# KiCad board JL-rev1.kicad_pcb (continued)
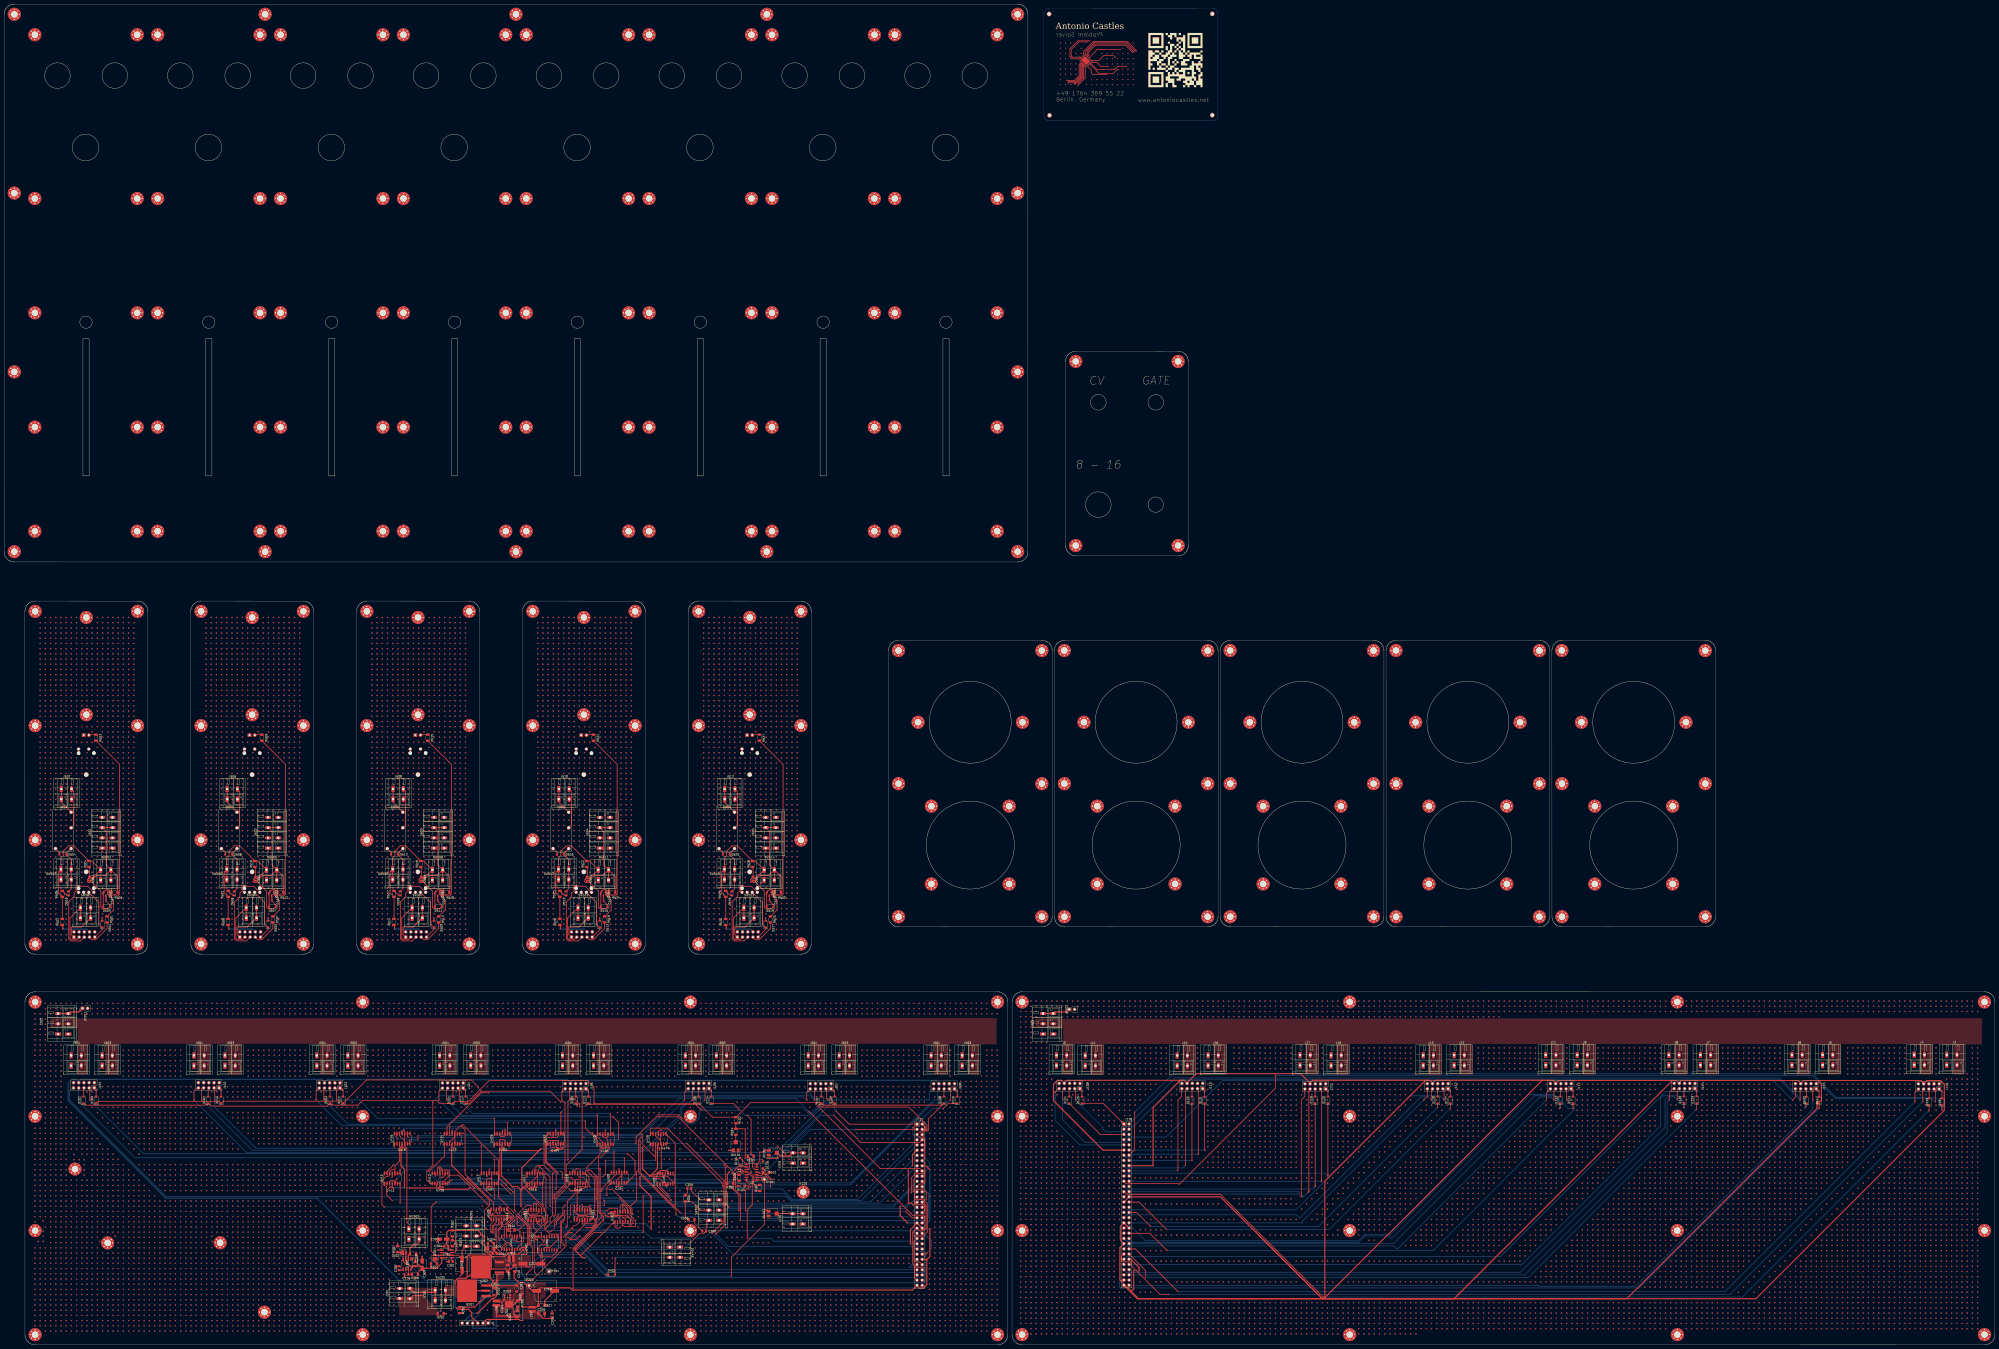
[diagram p0: board, top side]
## Routing (per net, layer and track width the routed paths; a pad name or vN(x,y) marks a point on that pad's centre or on a via; arc(x,y) is an arc through that point) (continued)
  vias: v4(17.61,352.79) v4(17.61,350.25) v4(17.61,347.71) v4(17.61,345.17) v4(17.61,342.63) v4(17.61,340.09) v4(17.61,337.55) v4(17.61,335.01) v4(17.61,332.47) v4(17.61,329.93) v4(17.61,327.39) v4(17.61,324.85) v4(17.61,322.31) v4(17.61,319.77) v4(17.61,317.23) v4(17.61,314.69) v4(17.61,312.15) v4(17.61,309.61) v4(17.61,307.07) v4(17.61,296.91) v4(17.61,294.37) v4(17.61,291.83) v4(17.61,289.29) v4(17.61,286.75) v4(17.61,284.21) v4(17.61,281.67) v4(17.61,279.13) v4(17.61,276.59) v4(17.61,274.05) v4(17.61,271.51) v4(17.61,268.97) v4(17.61,266.43) v4(17.61,263.89) v4(17.61,261.35) v4(17.61,258.81) v4(17.61,256.27) v4(17.61,253.73) v4(17.61,251.19) v4(17.61,241.03) v4(17.61,238.49) v4(17.61,235.95) v4(17.61,233.41) v4(17.61,230.87) v4(17.61,228.33) v4(17.61,225.79) v4(17.61,223.25) v4(17.61,220.71) v4(17.61,218.17) v4(17.61,215.63) v4(17.61,213.09) v4(17.61,210.55) v4(17.61,208.01) v4(17.61,205.47) v4(17.61,202.93) v4(17.61,200.39) v4(20.15,355.33) v4(20.15,352.79) v4(20.15,350.25) v4(20.15,347.71) v4(20.15,345.17) v4(20.15,342.63) v4(20.15,340.09) v4(20.15,337.55) v4(20.15,335.01) v4(20.15,332.47) v4(20.15,329.93) v4(20.15,327.39) v4(20.15,324.85) v4(20.15,322.31) v4(20.15,319.77) v4(20.15,317.23) v4(20.15,314.69) v4(20.15,312.15) v4(20.15,309.61) v4(20.15,307.07) v4(20.15,304.53) v4(20.15,301.99) v4(20.15,299.45) v4(20.15,296.91) v4(20.15,294.37) v4(20.15,291.83) v4(20.15,289.29) v4(20.15,286.75) v4(20.15,284.21) v4(20.15,281.67) v4(20.15,279.13) v4(20.15,276.59) v4(20.15,274.05) v4(20.15,271.51) v4(20.15,268.97) v4(20.15,266.43) v4(20.15,263.89) v4(20.15,261.35) v4(20.15,258.81) v4(20.15,256.27) v4(20.15,253.73) v4(20.15,251.19) v4(20.15,248.65) v4(20.15,246.11) v4(20.15,243.57) v4(20.15,241.03) v4(20.15,238.49) v4(20.15,235.95) v4(20.15,233.41) v4(20.15,230.87) v4(20.15,228.33) v4(20.15,225.79) v4(20.15,223.25) v4(20.15,220.71) v4(20.15,218.17) v4(20.15,215.63) v4(20.15,213.09) v4(20.15,210.55) v4(20.15,208.01) v4(20.15,205.47) v4(20.15,202.93) v4(20.15,200.39) v4(20.15,197.85) v4(22.69,355.33) v4(22.69,352.79) v4(22.69,350.25) v4(22.69,347.71) v4(22.69,345.17) v4(22.69,342.63) v4(22.69,340.09) v4(22.69,337.55) v4(22.69,335.01) v4(22.69,332.47) v4(22.69,329.93) v4(22.69,327.39) v4(22.69,324.85) v4(22.69,322.31) v4(22.69,319.77) v4(22.69,317.23) v4(22.69,314.69) v4(22.69,312.15) v4(22.69,309.61) v4(22.69,307.07) v4(22.69,304.53) v4(22.69,301.99) v4(22.69,299.45) v4(22.69,296.91) v4(22.69,294.37) v4(22.69,291.83) v4(22.69,289.29) v4(22.69,286.75) v4(22.69,284.21) v4(22.69,281.67) v4(22.69,279.13) v4(22.69,276.59) v4(22.69,274.05) v4(22.69,271.51) v4(22.69,268.97) v4(22.69,266.43) v4(22.69,263.89) v4(22.69,261.35) v4(22.69,258.81) v4(22.69,256.27) v4(22.69,253.73) v4(22.69,251.19) v4(22.69,248.65) v4(22.69,246.11) v4(22.69,243.57) v4(22.69,241.03) v4(22.69,238.49) v4(22.69,235.95) v4(22.69,233.41) v4(22.69,230.87) v4(22.69,228.33) v4(22.69,225.79) v4(22.69,223.25) v4(22.69,220.71) v4(22.69,218.17) v4(22.69,215.63) v4(22.69,213.09) v4(22.69,210.55) v4(22.69,208.01) v4(22.69,205.47) v4(22.69,202.93) v4(22.69,200.39) v4(22.69,197.85) v4(25.23,355.33) v4(25.23,352.79) v4(25.23,350.25) v4(25.23,347.71) v4(25.23,345.17) v4(25.23,342.63) v4(25.23,340.09) v4(25.23,337.55) v4(25.23,335.01) v4(25.23,332.47) v4(25.23,329.93) v4(25.23,327.39) v4(25.23,324.85) v4(25.23,322.31) v4(25.23,319.77) v4(25.23,317.23) v4(25.23,314.69) v4(25.23,312.15) v4(25.23,309.61) v4(25.23,307.07) v4(25.23,304.53) v4(25.23,301.99) v4(25.23,299.45) v4(25.23,296.91) v4(25.23,294.37) v4(25.23,291.83) v4(25.23,289.29) v4(25.23,286.75) v4(25.23,284.21) v4(25.23,281.67) v4(25.23,279.13) v4(25.23,276.59) v4(25.23,274.05) v4(25.23,271.51) v4(25.23,268.97) v4(25.23,266.43) v4(25.23,263.89) v4(25.23,261.35) v4(25.23,258.81) v4(25.23,256.27) v4(25.23,253.73) v4(25.23,251.19) v4(25.23,248.65) v4(25.23,246.11) v4(25.23,238.49) v4(25.23,235.95) v4(25.23,233.41) v4(25.23,230.87) v4(25.23,228.33) v4(25.23,225.79) v4(25.23,223.25) v4(25.23,220.71) v4(25.23,218.17) v4(25.23,215.63) v4(25.23,213.09) v4(25.23,210.55) v4(25.23,208.01) v4(25.23,205.47) v4(25.23,202.93) v4(25.23,200.39) v4(25.23,197.85) v4(27.77,355.33) v4(27.77,352.79) v4(27.77,350.25) v4(27.77,347.71) v4(27.77,345.17) v4(27.77,342.63) v4(27.77,340.09) v4(27.77,337.55) v4(27.77,335.01) v4(27.77,332.47) v4(27.77,329.93) v4(27.77,327.39) v4(27.77,324.85) v4(27.77,322.31) v4(27.77,319.77) v4(27.77,317.23) v4(27.77,314.69) v4(27.77,312.15) v4(27.77,309.61) v4(27.77,307.07) v4(27.77,304.53) v4(27.77,301.99) v4(27.77,299.45) v4(27.77,296.91) v4(27.77,294.37) v4(27.77,291.83) v4(27.77,289.29) v4(27.77,286.75) v4(27.77,284.21) v4(27.77,281.67) v4(27.77,279.13) v4(27.77,276.59) v4(27.77,274.05) v4(27.77,261.35) v4(27.77,258.81) v4(27.77,256.27) v4(27.77,253.73) v4(27.77,251.19) v4(27.77,248.65) v4(27.77,246.11) v4(27.77,243.57) v4(27.77,223.25) v4(27.77,200.39) v4(27.77,197.85) v4(30.31,355.33) v4(30.31,352.79) v4(30.31,350.25) v4(30.31,347.71) v4(30.31,345.17) v4(30.31,342.63) v4(30.31,340.09) v4(30.31,337.55) v4(30.31,335.01) v4(30.31,332.47) v4(30.31,329.93) v4(30.31,327.39) v4(30.31,324.85) v4(30.31,322.31) v4(30.31,319.77) v4(30.31,317.23) v4(30.31,314.69) v4(30.31,312.15) v4(30.31,309.61) v4(30.31,307.07) v4(30.31,304.53) v4(30.31,301.99) v4(30.31,299.45) v4(30.31,296.91) v4(30.31,294.37) v4(30.31,291.83) v4(30.31,289.29) v4(30.31,286.75) v4(30.31,284.21) v4(30.31,281.67) v4(30.31,279.13) v4(30.31,276.59) v4(30.31,274.05) v4(30.31,271.51) v4(30.31,268.97) v4(30.31,266.43) v4(30.31,258.81) v4(30.31,256.27) v4(30.31,253.73) v4(30.31,251.19) v4(30.31,248.65) v4(30.31,246.11) v4(30.31,235.95) v4(30.31,233.41) v4(30.31,230.87) v4(30.31,228.33) v4(30.31,225.79) v4(30.31,223.25) v4(30.31,218.17) v4(30.31,215.63) v4(30.31,213.09) v4(30.31,210.55) v4(30.31,208.01) v4(30.31,205.47) v4(30.31,200.39) v4(30.31,197.85) v4(32.85,355.33) v4(32.85,352.79) v4(32.85,350.25) v4(32.85,347.71) v4(32.85,345.17) v4(32.85,342.63) v4(32.85,340.09) v4(32.85,337.55) v4(32.85,335.01) v4(32.85,332.47) v4(32.85,329.93) v4(32.85,327.39) v4(32.85,324.85) v4(32.85,322.31) v4(32.85,319.77) v4(32.85,317.23) v4(32.85,314.69) v4(32.85,312.15) v4(32.85,309.61) v4(32.85,307.07) v4(32.85,304.53) v4(32.85,301.99) v4(32.85,299.45) v4(32.85,296.91) v4(32.85,294.37) v4(32.85,291.83) v4(32.85,289.29) v4(32.85,286.75) v4(32.85,284.21) v4(32.85,281.67) v4(32.85,279.13) v4(32.85,276.59) v4(32.85,274.05) v4(32.85,263.89) v4(32.85,256.27) v4(32.85,248.65) v4(32.85,246.11) v4(32.85,213.09) v4(35.39,355.33) v4(35.39,352.79) v4(35.39,350.25) v4(35.39,347.71) v4(35.39,345.17) v4(35.39,342.63) v4(35.39,340.09) v4(35.39,337.55) v4(35.39,335.01) v4(35.39,332.47) v4(35.39,329.93) v4(35.39,327.39) v4(35.39,324.85) v4(35.39,322.31) v4(35.39,319.77) v4(35.39,317.23) v4(35.39,314.69) v4(35.39,312.15) v4(35.39,309.61) v4(35.39,307.07) v4(35.39,304.53) v4(35.39,301.99) v4(35.39,299.45) v4(35.39,296.91) v4(35.39,294.37) v4(35.39,286.75) v4(35.39,284.21) v4(35.39,281.67) v4(35.39,279.13) v4(35.39,276.59) v4(35.39,274.05) v4(35.39,271.51) v4(35.39,268.97) v4(35.39,266.43) v4(35.39,263.89) v4(35.39,261.35) v4(35.39,258.81) v4(35.39,256.27) v4(35.39,253.73) v4(35.39,251.19) v4(35.39,248.65) v4(35.39,246.11) v4(35.39,238.49) v4(35.39,235.95) v4(35.39,233.41) v4(35.39,230.87) v4(35.39,228.33) v4(35.39,225.79) v4(35.39,218.17) v4(35.39,215.63) v4(35.39,208.01) v4(35.39,205.47) v4(37.93,350.25) v4(37.93,347.71) v4(37.93,345.17) v4(37.93,342.63) v4(37.93,340.09) v4(37.93,337.55) v4(37.93,335.01) v4(37.93,332.47) v4(37.93,329.93) v4(37.93,327.39) v4(37.93,324.85) v4(37.93,322.31) v4(37.93,319.77) v4(37.93,317.23) v4(37.93,314.69) v4(37.93,312.15) v4(37.93,301.99) v4(37.93,294.37) v4(37.93,286.75) v4(37.93,284.21) v4(37.93,281.67) v4(37.93,279.13) v4(37.93,276.59) v4(37.93,274.05) v4(37.93,271.51) v4(37.93,268.97) v4(37.93,266.43) v4(37.93,263.89) v4(37.93,261.35) v4(37.93,258.81) v4(37.93,256.27) v4(37.93,253.73) v4(37.93,251.19) v4(37.93,248.65) v4(37.93,246.11) v4(37.93,243.57) v4(37.93,235.95) v4(37.93,233.41) v4(37.93,230.87) v4(37.93,228.33) v4(37.93,225.79) v4(37.93,218.17) v4(40.47,350.25) v4(40.47,347.71) v4(40.47,345.17) v4(40.47,342.63) v4(40.47,340.09) v4(40.47,337.55) v4(40.47,335.01) v4(40.47,332.47) v4(40.47,329.93) v4(40.47,327.39) v4(40.47,324.85) v4(40.47,322.31) v4(40.47,319.77) v4(40.47,317.23) v4(40.47,314.69) v4(40.47,312.15) v4(40.47,301.99) v4(40.47,294.37) v4(40.47,289.29) v4(40.47,286.75) v4(40.47,284.21) v4(40.47,281.67) v4(40.47,274.05) v4(40.47,271.51) v4(40.47,268.97) v4(40.47,266.43) v4(40.47,263.89) v4(40.47,261.35) v4(40.47,258.81) v4(40.47,256.27) v4(40.47,253.73) v4(40.47,251.19) v4(40.47,248.65) v4(40.47,246.11) v4(40.47,243.57) v4(40.47,241.03) v4(40.47,218.17) v4(40.47,215.63) v4(40.47,213.09) v4(40.47,210.55) v4(43.01,350.25) v4(43.01,347.71) v4(43.01,345.17) v4(43.01,342.63) v4(43.01,340.09) v4(43.01,337.55) v4(43.01,335.01) v4(43.01,332.47) v4(43.01,329.93) v4(43.01,327.39) v4(43.01,324.85) v4(43.01,322.31) v4(43.01,319.77) v4(43.01,317.23) v4(43.01,314.69) v4(43.01,312.15) v4(43.01,301.99) v4(43.01,299.45) v4(43.01,294.37) v4(43.01,286.75) v4(43.01,284.21) v4(43.01,281.67) v4(43.01,279.13) v4(43.01,276.59) v4(43.01,274.05) v4(43.01,271.51) v4(43.01,268.97) v4(43.01,266.43) v4(43.01,263.89) v4(43.01,261.35) v4(43.01,258.81) v4(43.01,256.27) v4(43.01,253.73) v4(43.01,251.19) v4(43.01,248.65) v4(43.01,246.11) v4(43.01,243.57) v4(43.01,241.03) v4(43.01,238.49) v4(43.01,230.87) v4(43.01,205.47) v4(45.55,355.33) v4(45.55,352.79) v4(45.55,350.25) v4(45.55,347.71) v4(45.55,345.17) v4(45.55,342.63) v4(45.55,340.09) v4(45.55,337.55) v4(45.55,335.01) v4(45.55,332.47) v4(45.55,329.93) v4(45.55,327.39) v4(45.55,324.85) v4(45.55,322.31) v4(45.55,319.77) v4(45.55,317.23) v4(45.55,314.69) v4(45.55,312.15) v4(45.55,309.61) v4(45.55,307.07) v4(45.55,304.53) v4(45.55,301.99) v4(45.55,291.83) v4(45.55,286.75) v4(45.55,284.21) v4(45.55,281.67) v4(45.55,279.13) v4(45.55,276.59) v4(45.55,274.05) v4(45.55,271.51) v4(45.55,268.97) v4(45.55,266.43) v4(45.55,263.89) v4(45.55,261.35) v4(45.55,258.81) v4(45.55,256.27) v4(45.55,253.73) v4(45.55,251.19) v4(45.55,248.65) v4(45.55,246.11) v4(45.55,243.57) v4(45.55,241.03) v4(45.55,238.49) v4(45.55,235.95) v4(45.55,225.79) v4(48.09,355.33) v4(48.09,352.79) v4(48.09,350.25) v4(48.09,347.71) v4(48.09,345.17) v4(48.09,342.63) v4(48.09,340.09) v4(48.09,337.55) v4(48.09,335.01) v4(48.09,332.47) v4(48.09,329.93) v4(48.09,327.39) v4(48.09,324.85) v4(48.09,322.31) v4(48.09,319.77) v4(48.09,317.23) v4(48.09,314.69) v4(48.09,312.15) v4(48.09,309.61) v4(48.09,307.07) v4(48.09,304.53) v4(48.09,301.99) v4(48.09,299.45) v4(48.09,296.91) v4(48.09,294.37) v4(48.09,289.29) v4(48.09,286.75) v4(48.09,284.21) v4(48.09,281.67) v4(48.09,279.13) v4(48.09,276.59) v4(48.09,274.05) v4(48.09,271.51) v4(48.09,268.97) v4(48.09,266.43) v4(48.09,263.89) v4(48.09,261.35) v4(48.09,241.03) v4(48.09,238.49) v4(48.09,235.95) v4(48.09,223.25) v4(48.09,210.55) v4(48.09,197.85) v4(50.63,355.33) v4(50.63,352.79) v4(50.63,350.25) v4(50.63,347.71) v4(50.63,345.17) v4(50.63,342.63) v4(50.63,340.09) v4(50.63,337.55) v4(50.63,335.01) v4(50.63,332.47) v4(50.63,329.93) v4(50.63,327.39) v4(50.63,324.85) v4(50.63,322.31) v4(50.63,319.77) v4(50.63,317.23) v4(50.63,314.69) v4(50.63,312.15) v4(50.63,309.61) v4(50.63,307.07) v4(50.63,304.53) v4(50.63,301.99) v4(50.63,299.45) v4(50.63,296.91) v4(50.63,294.37) v4(50.63,291.83) v4(50.63,286.75) v4(50.63,284.21) v4(50.63,281.67) v4(50.63,279.13) v4(50.63,276.59) v4(50.63,274.05) v4(50.63,271.51) v4(50.63,268.97) v4(50.63,266.43) v4(50.63,263.89) v4(50.63,261.35) v4(50.63,258.81) v4(50.63,256.27) v4(50.63,200.39) v4(50.63,197.85) v4(53.17,355.33) v4(53.17,352.79) v4(53.17,350.25) v4(53.17,347.71) v4(53.17,345.17) v4(53.17,342.63) v4(53.17,340.09) v4(53.17,337.55) v4(53.17,335.01) v4(53.17,332.47) v4(53.17,329.93) v4(53.17,327.39) v4(53.17,324.85) v4(53.17,322.31) v4(53.17,319.77) v4(53.17,317.23) v4(53.17,314.69) v4(53.17,312.15) v4(53.17,309.61) v4(53.17,307.07) v4(53.17,304.53) v4(53.17,301.99) v4(53.17,299.45) v4(53.17,296.91) v4(53.17,294.37) v4(53.17,291.83) v4(53.17,289.29) v4(53.17,284.21) v4(53.17,281.67) v4(53.17,279.13) v4(53.17,276.59) v4(53.17,274.05) v4(53.17,271.51) v4(53.17,268.97) v4(53.17,266.43) v4(53.17,263.89) v4(53.17,261.35) v4(53.17,241.03) v4(53.17,238.49) v4(53.17,235.95) v4(53.17,208.01) v4(53.17,205.47) v4(53.17,202.93) v4(53.17,200.39) v4(53.17,197.85) v4(55.71,355.33) v4(55.71,352.79) v4(55.71,350.25) v4(55.71,347.71) v4(55.71,345.17) v4(55.71,342.63) v4(55.71,340.09) v4(55.71,337.55) v4(55.71,335.01) v4(55.71,332.47) v4(55.71,329.93) v4(55.71,327.39) v4(55.71,324.85) v4(55.71,322.31) v4(55.71,319.77) v4(55.71,317.23) v4(55.71,314.69) v4(55.71,312.15) v4(55.71,309.61) v4(55.71,307.07) v4(55.71,304.53) v4(55.71,301.99) v4(55.71,299.45) v4(55.71,296.91) v4(55.71,294.37) v4(55.71,291.83) v4(55.71,289.29) v4(55.71,286.75) v4(55.71,218.17) v4(55.71,215.63) v4(55.71,213.09) v4(55.71,210.55) v4(55.71,208.01) v4(55.71,205.47) v4(55.71,202.93) v4(55.71,200.39) v4(55.71,197.85) v4(58.25,355.33) v4(58.25,352.79) v4(58.25,350.25) v4(58.25,347.71) v4(58.25,345.17) v4(58.25,342.63) v4(58.25,340.09) v4(58.25,337.55) v4(58.25,335.01) v4(58.25,332.47) v4(58.25,329.93) v4(58.25,327.39) v4(58.25,324.85) v4(58.25,322.31) v4(58.25,319.77) v4(58.25,317.23) v4(58.25,314.69) v4(58.25,312.15) v4(58.25,309.61) v4(58.25,307.07) v4(58.25,304.53) v4(58.25,301.99) v4(58.25,299.45) v4(58.25,296.91) v4(58.25,294.37) v4(58.25,291.83) v4(58.25,289.29) v4(58.25,286.75) v4(58.25,284.21) v4(58.25,281.67) v4(58.25,279.13) v4(58.25,276.59) v4(58.25,274.05) v4(58.25,271.51) v4(58.25,268.97) v4(58.25,266.43) v4(58.25,263.89) v4(58.25,261.35) v4(58.25,258.81) v4(58.25,256.27) v4(58.25,253.73) v4(58.25,251.19) v4(58.25,248.65) v4(58.25,246.11) v4(58.25,243.57) v4(58.25,241.03) v4(58.25,238.49) v4(58.25,235.95) v4(58.25,233.41) v4(58.25,230.87) v4(58.25,228.33) v4(58.25,225.79) v4(58.25,223.25) v4(58.25,220.71) v4(58.25,218.17) v4(58.25,215.63) v4(58.25,213.09) v4(58.25,210.55) v4(58.25,208.01) v4(58.25,205.47) v4(58.25,202.93) v4(58.25,200.39) v4(58.25,197.85) v4(60.79,355.33) v4(60.79,352.79) v4(60.79,350.25) v4(60.79,347.71) v4(60.79,345.17) v4(60.79,342.63) v4(60.79,340.09) v4(60.79,337.55) v4(60.79,335.01) v4(60.79,332.47) v4(60.79,329.93) v4(60.79,327.39) v4(60.79,324.85) v4(60.79,322.31) v4(60.79,319.77) v4(60.79,317.23) v4(60.79,314.69) v4(60.79,312.15) v4(60.79,309.61) v4(60.79,307.07) v4(60.79,304.53) v4(60.79,301.99) v4(60.79,299.45) v4(60.79,296.91) v4(60.79,294.37) v4(60.79,291.83) v4(60.79,289.29) v4(60.79,286.75) v4(60.79,284.21) v4(60.79,281.67) v4(60.79,279.13) v4(60.79,276.59) v4(60.79,274.05) v4(60.79,271.51) v4(60.79,268.97) v4(60.79,266.43) v4(60.79,263.89) v4(60.79,261.35) v4(60.79,258.81) v4(60.79,256.27) v4(60.79,253.73) v4(60.79,251.19) v4(60.79,248.65) v4(60.79,246.11) v4(60.79,243.57) v4(60.79,241.03) v4(60.79,238.49) v4(60.79,235.95) v4(60.79,233.41) v4(60.79,230.87) v4(60.79,228.33) v4(60.79,225.79) v4(60.79,223.25) v4(60.79,220.71) v4(60.79,218.17) v4(60.79,215.63) v4(60.79,213.09) v4(60.79,210.55) v4(60.79,208.01) v4(60.79,205.47) v4(60.79,202.93) v4(60.79,200.39) v4(60.79,197.85) v4(63.33,352.79) v4(63.33,350.25) v4(63.33,347.71) v4(63.33,345.17) v4(63.33,342.63) v4(63.33,340.09) v4(63.33,337.55) v4(63.33,335.01) v4(63.33,332.47) v4(63.33,329.93) v4(63.33,327.39) v4(63.33,324.85) v4(63.33,322.31) v4(63.33,319.77) v4(63.33,317.23) v4(63.33,314.69) v4(63.33,312.15) v4(63.33,309.61) v4(63.33,307.07) v4(63.33,296.91) v4(63.33,294.37) v4(63.33,291.83) v4(63.33,289.29) v4(63.33,286.75) v4(63.33,284.21) v4(63.33,281.67) v4(63.33,279.13) v4(63.33,276.59) v4(63.33,274.05) v4(63.33,271.51) v4(63.33,268.97) v4(63.33,266.43) v4(63.33,263.89) v4(63.33,261.35) v4(63.33,258.81) v4(63.33,256.27) v4(63.33,253.73) v4(63.33,251.19) v4(63.33,241.03) v4(63.33,238.49) v4(63.33,235.95) v4(63.33,233.41) v4(63.33,230.87) v4(63.33,228.33) v4(63.33,225.79) v4(63.33,223.25) v4(63.33,220.71) v4(63.33,218.17) v4(63.33,215.63) v4(63.33,213.09) v4(63.33,210.55) v4(63.33,208.01) v4(63.33,205.47) v4(63.33,202.93) v4(63.33,200.39) v4(98.61,352.79) v4(98.61,350.25) v4(98.61,347.71) v4(98.61,345.17) v4(98.61,342.63) v4(98.61,340.09) v4(98.61,337.55) v4(98.61,335.01) v4(98.61,332.47) v4(98.61,329.93) v4(98.61,327.39) v4(98.61,324.85) v4(98.61,322.31) v4(98.61,319.77) v4(98.61,317.23) v4(98.61,314.69) v4(98.61,312.15) v4(98.61,309.61) v4(98.61,307.07) v4(98.61,296.91) v4(98.61,294.37) v4(98.61,291.83) v4(98.61,289.29) v4(98.61,286.75) v4(98.61,284.21) v4(98.61,281.67) v4(98.61,279.13) v4(98.61,276.59) v4(98.61,274.05) v4(98.61,271.51) v4(98.61,268.97) v4(98.61,266.43) v4(98.61,263.89) v4(98.61,261.35) v4(98.61,258.81) v4(98.61,256.27) v4(98.61,253.73) v4(98.61,251.19) v4(98.61,241.03) v4(98.61,238.49) v4(98.61,235.95) v4(98.61,233.41) v4(98.61,230.87) v4(98.61,228.33) v4(98.61,225.79) v4(98.61,223.25) v4(98.61,220.71) v4(98.61,218.17) v4(98.61,215.63) v4(98.61,213.09) v4(98.61,210.55) v4(98.61,208.01) v4(98.61,205.47) v4(98.61,202.93) v4(98.61,200.39) v4(101.15,355.33) v4(101.15,352.79) v4(101.15,350.25) v4(101.15,347.71) v4(101.15,345.17) v4(101.15,342.63) v4(101.15,340.09) v4(101.15,337.55) v4(101.15,335.01) v4(101.15,332.47) v4(101.15,329.93) v4(101.15,327.39) v4(101.15,324.85) v4(101.15,322.31) v4(101.15,319.77) v4(101.15,317.23) v4(101.15,314.69) v4(101.15,312.15) v4(101.15,309.61) v4(101.15,307.07) v4(101.15,304.53) v4(101.15,301.99) v4(101.15,299.45) v4(101.15,296.91) v4(101.15,294.37) v4(101.15,291.83) v4(101.15,289.29) v4(101.15,286.75) v4(101.15,284.21) v4(101.15,281.67) v4(101.15,279.13) v4(101.15,276.59) v4(101.15,274.05) v4(101.15,271.51) v4(101.15,268.97) v4(101.15,266.43) v4(101.15,263.89) v4(101.15,261.35) v4(101.15,258.81) v4(101.15,256.27) v4(101.15,253.73) v4(101.15,251.19) v4(101.15,248.65) v4(101.15,246.11) v4(101.15,243.57) v4(101.15,241.03) v4(101.15,238.49) v4(101.15,235.95) v4(101.15,233.41) v4(101.15,230.87) v4(101.15,228.33) v4(101.15,225.79) v4(101.15,223.25) v4(101.15,220.71) v4(101.15,218.17) v4(101.15,215.63) v4(101.15,213.09) v4(101.15,210.55) v4(101.15,208.01) v4(101.15,205.47) v4(101.15,202.93) v4(101.15,200.39) v4(101.15,197.85) v4(103.69,355.33) v4(103.69,352.79) v4(103.69,350.25) v4(103.69,347.71) v4(103.69,345.17) v4(103.69,342.63) v4(103.69,340.09) v4(103.69,337.55) v4(103.69,335.01) v4(103.69,332.47) v4(103.69,329.93) v4(103.69,327.39) v4(103.69,324.85) v4(103.69,322.31) v4(103.69,319.77) v4(103.69,317.23) v4(103.69,314.69) v4(103.69,312.15) v4(103.69,309.61) v4(103.69,307.07) v4(103.69,304.53) v4(103.69,301.99) v4(103.69,299.45) v4(103.69,296.91) v4(103.69,294.37) v4(103.69,291.83) v4(103.69,289.29) v4(103.69,286.75) v4(103.69,284.21) v4(103.69,281.67) v4(103.69,279.13) v4(103.69,276.59) v4(103.69,274.05) v4(103.69,271.51) v4(103.69,268.97) v4(103.69,266.43) v4(103.69,263.89) v4(103.69,261.35) v4(103.69,258.81) v4(103.69,256.27) v4(103.69,253.73) v4(103.69,251.19) v4(103.69,248.65) v4(103.69,246.11) v4(103.69,243.57) v4(103.69,241.03) v4(103.69,238.49) v4(103.69,235.95) v4(103.69,233.41) v4(103.69,230.87) v4(103.69,228.33) v4(103.69,225.79) v4(103.69,223.25) v4(103.69,220.71) v4(103.69,218.17) v4(103.69,215.63) v4(103.69,213.09) v4(103.69,210.55) v4(103.69,208.01) v4(103.69,205.47) v4(103.69,202.93) v4(103.69,200.39) v4(103.69,197.85) v4(106.23,355.33) v4(106.23,352.79) v4(106.23,350.25) v4(106.23,347.71) v4(106.23,345.17) v4(106.23,342.63) v4(106.23,340.09) v4(106.23,337.55) v4(106.23,335.01) v4(106.23,332.47) v4(106.23,329.93) v4(106.23,327.39) v4(106.23,324.85) v4(106.23,322.31) v4(106.23,319.77) v4(106.23,317.23) v4(106.23,314.69) v4(106.23,312.15) v4(106.23,309.61) v4(106.23,307.07) v4(106.23,304.53) v4(106.23,301.99) v4(106.23,299.45) v4(106.23,296.91) v4(106.23,294.37) v4(106.23,291.83) v4(106.23,289.29) v4(106.23,286.75) v4(106.23,284.21) v4(106.23,281.67) v4(106.23,279.13) v4(106.23,276.59) v4(106.23,274.05) v4(106.23,271.51) v4(106.23,268.97) v4(106.23,266.43) v4(106.23,263.89) v4(106.23,261.35) v4(106.23,258.81) v4(106.23,256.27) v4(106.23,253.73) v4(106.23,251.19) v4(106.23,248.65) v4(106.23,246.11) v4(106.23,238.49) v4(106.23,235.95) v4(106.23,233.41) v4(106.23,230.87) v4(106.23,228.33) v4(106.23,225.79) v4(106.23,223.25) v4(106.23,220.71) v4(106.23,218.17) v4(106.23,215.63) v4(106.23,213.09) v4(106.23,210.55) v4(106.23,208.01) v4(106.23,205.47) v4(106.23,202.93) v4(106.23,200.39) v4(106.23,197.85) v4(108.77,355.33) v4(108.77,352.79) v4(108.77,350.25) v4(108.77,347.71) v4(108.77,345.17) v4(108.77,342.63) v4(108.77,340.09) v4(108.77,337.55) v4(108.77,335.01) v4(108.77,332.47) v4(108.77,329.93) v4(108.77,327.39) v4(108.77,324.85) v4(108.77,322.31) v4(108.77,319.77) v4(108.77,317.23) v4(108.77,314.69) v4(108.77,312.15) v4(108.77,309.61) v4(108.77,307.07) v4(108.77,304.53) v4(108.77,301.99) v4(108.77,299.45) v4(108.77,296.91) v4(108.77,294.37) v4(108.77,291.83) v4(108.77,289.29) v4(108.77,286.75) v4(108.77,284.21) v4(108.77,281.67) v4(108.77,279.13) v4(108.77,276.59) v4(108.77,274.05) v4(108.77,261.35) v4(108.77,258.81) v4(108.77,256.27) v4(108.77,253.73) v4(108.77,251.19) v4(108.77,248.65) v4(108.77,246.11) v4(108.77,243.57) v4(108.77,223.25) v4(108.77,200.39) v4(108.77,197.85) v4(111.31,355.33) v4(111.31,352.79) v4(111.31,350.25) v4(111.31,347.71) v4(111.31,345.17) v4(111.31,342.63) v4(111.31,340.09) v4(111.31,337.55) v4(111.31,335.01) v4(111.31,332.47) v4(111.31,329.93) v4(111.31,327.39) v4(111.31,324.85) v4(111.31,322.31) v4(111.31,319.77) v4(111.31,317.23) v4(111.31,314.69) v4(111.31,312.15) v4(111.31,309.61) v4(111.31,307.07) v4(111.31,304.53) v4(111.31,301.99) v4(111.31,299.45) v4(111.31,296.91) v4(111.31,294.37) v4(111.31,291.83) v4(111.31,289.29) v4(111.31,286.75) v4(111.31,284.21) v4(111.31,281.67) v4(111.31,279.13) v4(111.31,276.59) v4(111.31,274.05) v4(111.31,271.51) v4(111.31,268.97) v4(111.31,266.43) v4(111.31,258.81) v4(111.31,256.27) v4(111.31,253.73) v4(111.31,251.19) v4(111.31,248.65) v4(111.31,246.11) v4(111.31,235.95) v4(111.31,233.41) v4(111.31,230.87) v4(111.31,228.33) v4(111.31,225.79) v4(111.31,223.25) v4(111.31,218.17) v4(111.31,215.63) v4(111.31,213.09) v4(111.31,210.55) v4(111.31,208.01) v4(111.31,205.47) v4(111.31,200.39) v4(111.31,197.85) v4(113.85,355.33) v4(113.85,352.79) v4(113.85,350.25) v4(113.85,347.71) v4(113.85,345.17) v4(113.85,342.63) v4(113.85,340.09) v4(113.85,337.55) v4(113.85,335.01) v4(113.85,332.47) v4(113.85,329.93) v4(113.85,327.39) v4(113.85,324.85) v4(113.85,322.31) v4(113.85,319.77) v4(113.85,317.23) v4(113.85,314.69) v4(113.85,312.15) v4(113.85,309.61) v4(113.85,307.07) v4(113.85,304.53) v4(113.85,301.99) v4(113.85,299.45) v4(113.85,296.91) v4(113.85,294.37) v4(113.85,291.83) v4(113.85,289.29) v4(113.85,286.75) v4(113.85,284.21) v4(113.85,281.67) v4(113.85,279.13) v4(113.85,276.59) v4(113.85,274.05) v4(113.85,263.89) v4(113.85,256.27) v4(113.85,248.65) v4(113.85,246.11) v4(113.85,213.09) v4(116.39,355.33) v4(116.39,352.79) v4(116.39,350.25) v4(116.39,347.71) v4(116.39,345.17) v4(116.39,342.63) v4(116.39,340.09) v4(116.39,337.55) v4(116.39,335.01) v4(116.39,332.47) v4(116.39,329.93) v4(116.39,327.39) v4(116.39,324.85) v4(116.39,322.31) v4(116.39,319.77) v4(116.39,317.23) v4(116.39,314.69) v4(116.39,312.15) v4(116.39,309.61) v4(116.39,307.07) v4(116.39,304.53) v4(116.39,301.99) v4(116.39,299.45) v4(116.39,296.91) v4(116.39,294.37) v4(116.39,286.75) v4(116.39,284.21) v4(116.39,281.67) v4(116.39,279.13) v4(116.39,276.59) v4(116.39,274.05) v4(116.39,271.51) v4(116.39,268.97) v4(116.39,266.43) v4(116.39,263.89) v4(116.39,261.35) v4(116.39,258.81) v4(116.39,256.27) v4(116.39,253.73) v4(116.39,251.19) v4(116.39,248.65) v4(116.39,246.11) v4(116.39,238.49) v4(116.39,235.95) v4(116.39,233.41) v4(116.39,230.87) v4(116.39,228.33) v4(116.39,225.79) v4(116.39,218.17) v4(116.39,215.63) v4(116.39,208.01) v4(116.39,205.47) v4(118.93,350.25) v4(118.93,347.71) v4(118.93,345.17) v4(118.93,342.63) v4(118.93,340.09) v4(118.93,337.55) v4(118.93,335.01) v4(118.93,332.47) v4(118.93,329.93) v4(118.93,327.39) v4(118.93,324.85) v4(118.93,322.31) v4(118.93,319.77) v4(118.93,317.23) v4(118.93,314.69) v4(118.93,312.15) v4(118.93,301.99) v4(118.93,294.37) v4(118.93,286.75) v4(118.93,284.21) v4(118.93,281.67) v4(118.93,279.13) v4(118.93,276.59) v4(118.93,274.05) v4(118.93,271.51) v4(118.93,268.97) v4(118.93,266.43) v4(118.93,263.89) v4(118.93,261.35) v4(118.93,258.81) v4(118.93,256.27) v4(118.93,253.73) v4(118.93,251.19) v4(118.93,248.65) v4(118.93,246.11) v4(118.93,243.57) v4(118.93,235.95) v4(118.93,233.41) v4(118.93,230.87) v4(118.93,228.33) v4(118.93,225.79) v4(118.93,218.17) v4(121.47,350.25) v4(121.47,347.71) v4(121.47,345.17) v4(121.47,342.63) v4(121.47,340.09) v4(121.47,337.55) v4(121.47,335.01) v4(121.47,332.47) v4(121.47,329.93) v4(121.47,327.39) v4(121.47,324.85) v4(121.47,322.31) v4(121.47,319.77) v4(121.47,317.23) v4(121.47,314.69) v4(121.47,312.15) v4(121.47,301.99) v4(121.47,294.37) v4(121.47,289.29) v4(121.47,286.75) v4(121.47,284.21) v4(121.47,281.67) v4(121.47,274.05) v4(121.47,271.51) v4(121.47,268.97) v4(121.47,266.43) v4(121.47,263.89) v4(121.47,261.35) v4(121.47,258.81) v4(121.47,256.27) v4(121.47,253.73) v4(121.47,251.19) v4(121.47,248.65) v4(121.47,246.11) v4(121.47,243.57) v4(121.47,241.03) v4(121.47,218.17) v4(121.47,215.63) v4(121.47,213.09) v4(121.47,210.55) v4(124.01,350.25) v4(124.01,347.71) v4(124.01,345.17) v4(124.01,342.63) v4(124.01,340.09) v4(124.01,337.55) v4(124.01,335.01) v4(124.01,332.47) v4(124.01,329.93) v4(124.01,327.39) v4(124.01,324.85) v4(124.01,322.31) v4(124.01,319.77) v4(124.01,317.23) v4(124.01,314.69) v4(124.01,312.15) v4(124.01,301.99) v4(124.01,299.45) v4(124.01,294.37) v4(124.01,286.75) v4(124.01,284.21) v4(124.01,281.67) v4(124.01,279.13) v4(124.01,276.59) v4(124.01,274.05) v4(124.01,271.51) v4(124.01,268.97) v4(124.01,266.43) v4(124.01,263.89) v4(124.01,261.35) v4(124.01,258.81) v4(124.01,256.27) v4(124.01,253.73) v4(124.01,251.19) v4(124.01,248.65) v4(124.01,246.11) v4(124.01,243.57) v4(124.01,241.03) v4(124.01,238.49) v4(124.01,230.87) v4(124.01,205.47) v4(126.55,355.33) v4(126.55,352.79) v4(126.55,350.25) v4(126.55,347.71) v4(126.55,345.17) v4(126.55,342.63) v4(126.55,340.09) v4(126.55,337.55) v4(126.55,335.01) v4(126.55,332.47) v4(126.55,329.93) v4(126.55,327.39) v4(126.55,324.85) v4(126.55,322.31) v4(126.55,319.77) v4(126.55,317.23) v4(126.55,314.69) v4(126.55,312.15) v4(126.55,309.61) v4(126.55,307.07) v4(126.55,304.53) v4(126.55,301.99) v4(126.55,291.83) v4(126.55,286.75) v4(126.55,284.21) v4(126.55,281.67) v4(126.55,279.13) v4(126.55,276.59) v4(126.55,274.05) v4(126.55,271.51) v4(126.55,268.97) v4(126.55,266.43) v4(126.55,263.89) v4(126.55,261.35) v4(126.55,258.81) v4(126.55,256.27) v4(126.55,253.73) v4(126.55,251.19) v4(126.55,248.65) v4(126.55,246.11) v4(126.55,243.57) v4(126.55,241.03) v4(126.55,238.49) v4(126.55,235.95) v4(126.55,225.79) v4(129.09,355.33) v4(129.09,352.79) v4(129.09,350.25) v4(129.09,347.71) v4(129.09,345.17) v4(129.09,342.63) v4(129.09,340.09) v4(129.09,337.55) v4(129.09,335.01) v4(129.09,332.47) v4(129.09,329.93) v4(129.09,327.39) v4(129.09,324.85) v4(129.09,322.31) v4(129.09,319.77) v4(129.09,317.23) v4(129.09,314.69) v4(129.09,312.15) v4(129.09,309.61) v4(129.09,307.07) v4(129.09,304.53) v4(129.09,301.99) v4(129.09,299.45) v4(129.09,296.91) v4(129.09,294.37) v4(129.09,289.29) v4(129.09,286.75) v4(129.09,284.21) v4(129.09,281.67) v4(129.09,279.13) v4(129.09,276.59) v4(129.09,274.05) v4(129.09,271.51) v4(129.09,268.97) v4(129.09,266.43) v4(129.09,263.89) v4(129.09,261.35) v4(129.09,241.03) v4(129.09,238.49) v4(129.09,235.95) v4(129.09,223.25) v4(129.09,210.55) v4(129.09,197.85) v4(131.63,355.33) v4(131.63,352.79) v4(131.63,350.25) v4(131.63,347.71) v4(131.63,345.17) v4(131.63,342.63) v4(131.63,340.09) v4(131.63,337.55) v4(131.63,335.01) v4(131.63,332.47) v4(131.63,329.93) v4(131.63,327.39) v4(131.63,324.85) v4(131.63,322.31) v4(131.63,319.77) v4(131.63,317.23) v4(131.63,314.69) v4(131.63,312.15) v4(131.63,309.61) v4(131.63,307.07) v4(131.63,304.53) v4(131.63,301.99) v4(131.63,299.45) v4(131.63,296.91) v4(131.63,294.37) v4(131.63,291.83) v4(131.63,286.75) v4(131.63,284.21) v4(131.63,281.67) v4(131.63,279.13) v4(131.63,276.59) v4(131.63,274.05) v4(131.63,271.51) v4(131.63,268.97) v4(131.63,266.43) v4(131.63,263.89) v4(131.63,261.35) v4(131.63,258.81) v4(131.63,256.27) v4(131.63,200.39) v4(131.63,197.85) v4(134.17,355.33) v4(134.17,352.79) v4(134.17,350.25) v4(134.17,347.71) v4(134.17,345.17) v4(134.17,342.63) v4(134.17,340.09) v4(134.17,337.55) v4(134.17,335.01) v4(134.17,332.47) v4(134.17,329.93) v4(134.17,327.39) v4(134.17,324.85) v4(134.17,322.31) v4(134.17,319.77) v4(134.17,317.23) v4(134.17,314.69) v4(134.17,312.15) v4(134.17,309.61) v4(134.17,307.07) v4(134.17,304.53) v4(134.17,301.99) v4(134.17,299.45) v4(134.17,296.91) v4(134.17,294.37) v4(134.17,291.83) v4(134.17,289.29) v4(134.17,284.21) v4(134.17,281.67) v4(134.17,279.13) v4(134.17,276.59) v4(134.17,274.05) v4(134.17,271.51) v4(134.17,268.97) v4(134.17,266.43) v4(134.17,263.89) v4(134.17,261.35) v4(134.17,241.03) v4(134.17,238.49) v4(134.17,235.95) v4(134.17,208.01) v4(134.17,205.47) v4(134.17,202.93) v4(134.17,200.39) v4(134.17,197.85) v4(136.71,355.33) v4(136.71,352.79) v4(136.71,350.25) v4(136.71,347.71) v4(136.71,345.17) v4(136.71,342.63) v4(136.71,340.09) v4(136.71,337.55) v4(136.71,335.01) v4(136.71,332.47) v4(136.71,329.93) v4(136.71,327.39) v4(136.71,324.85) v4(136.71,322.31) v4(136.71,319.77) v4(136.71,317.23) v4(136.71,314.69) v4(136.71,312.15) v4(136.71,309.61) v4(136.71,307.07) v4(136.71,304.53) v4(136.71,301.99) v4(136.71,299.45) v4(136.71,296.91) v4(136.71,294.37) v4(136.71,291.83) v4(136.71,289.29) v4(136.71,286.75) v4(136.71,218.17) v4(136.71,215.63) v4(136.71,213.09) v4(136.71,210.55) v4(136.71,208.01) v4(136.71,205.47) v4(136.71,202.93) v4(136.71,200.39) v4(136.71,197.85) v4(139.25,355.33) v4(139.25,352.79) v4(139.25,350.25) v4(139.25,347.71) v4(139.25,345.17) v4(139.25,342.63) v4(139.25,340.09) v4(139.25,337.55) v4(139.25,335.01) v4(139.25,332.47) v4(139.25,329.93) v4(139.25,327.39) v4(139.25,324.85) v4(139.25,322.31) v4(139.25,319.77) v4(139.25,317.23) v4(139.25,314.69) v4(139.25,312.15) v4(139.25,309.61) v4(139.25,307.07) v4(139.25,304.53) v4(139.25,301.99) v4(139.25,299.45) v4(139.25,296.91) v4(139.25,294.37) v4(139.25,291.83) v4(139.25,289.29) v4(139.25,286.75) v4(139.25,284.21) v4(139.25,281.67) v4(139.25,279.13) v4(139.25,276.59) v4(139.25,274.05) v4(139.25,271.51) v4(139.25,268.97) v4(139.25,266.43) v4(139.25,263.89) v4(139.25,261.35) v4(139.25,258.81) v4(139.25,256.27) v4(139.25,253.73) v4(139.25,251.19) v4(139.25,248.65) v4(139.25,246.11) v4(139.25,243.57) v4(139.25,241.03) v4(139.25,238.49) v4(139.25,235.95) v4(139.25,233.41) v4(139.25,230.87) v4(139.25,228.33) v4(139.25,225.79) v4(139.25,223.25) v4(139.25,220.71) v4(139.25,218.17) v4(139.25,215.63) v4(139.25,213.09) v4(139.25,210.55) v4(139.25,208.01) v4(139.25,205.47) v4(139.25,202.93) v4(139.25,200.39) v4(139.25,197.85) v4(141.79,355.33) v4(141.79,352.79) v4(141.79,350.25) v4(141.79,347.71) v4(141.79,345.17) v4(141.79,342.63) v4(141.79,340.09) v4(141.79,337.55) v4(141.79,335.01) v4(141.79,332.47) v4(141.79,329.93) v4(141.79,327.39) v4(141.79,324.85) v4(141.79,322.31) v4(141.79,319.77) v4(141.79,317.23) v4(141.79,314.69) v4(141.79,312.15) v4(141.79,309.61) v4(141.79,307.07) v4(141.79,304.53) v4(141.79,301.99) v4(141.79,299.45) v4(141.79,296.91) v4(141.79,294.37) v4(141.79,291.83) v4(141.79,289.29) v4(141.79,286.75) v4(141.79,284.21) v4(141.79,281.67) v4(141.79,279.13) v4(141.79,276.59) v4(141.79,274.05) v4(141.79,271.51) v4(141.79,268.97) v4(141.79,266.43) v4(141.79,263.89) v4(141.79,261.35) v4(141.79,258.81) v4(141.79,256.27) v4(141.79,253.73) v4(141.79,251.19) v4(141.79,248.65) v4(141.79,246.11) v4(141.79,243.57) v4(141.79,241.03) v4(141.79,238.49) v4(141.79,235.95) v4(141.79,233.41) v4(141.79,230.87) v4(141.79,228.33) v4(141.79,225.79) v4(141.79,223.25) v4(141.79,220.71) v4(141.79,218.17) v4(141.79,215.63) v4(141.79,213.09) v4(141.79,210.55) v4(141.79,208.01) v4(141.79,205.47) v4(141.79,202.93) v4(141.79,200.39) v4(141.79,197.85) v4(144.33,352.79) v4(144.33,350.25) v4(144.33,347.71) v4(144.33,345.17) v4(144.33,342.63) v4(144.33,340.09) v4(144.33,337.55) v4(144.33,335.01) v4(144.33,332.47) v4(144.33,329.93) v4(144.33,327.39) v4(144.33,324.85) v4(144.33,322.31) v4(144.33,319.77) v4(144.33,317.23) v4(144.33,314.69) v4(144.33,312.15) v4(144.33,309.61) v4(144.33,307.07) v4(144.33,296.91) v4(144.33,294.37) v4(144.33,291.83) v4(144.33,289.29) v4(144.33,286.75) v4(144.33,284.21) v4(144.33,281.67) v4(144.33,279.13) v4(144.33,276.59) v4(144.33,274.05) v4(144.33,271.51) v4(144.33,268.97) v4(144.33,266.43) v4(144.33,263.89) v4(144.33,261.35) v4(144.33,258.81) v4(144.33,256.27) v4(144.33,253.73) v4(144.33,251.19) v4(144.33,241.03) v4(144.33,238.49) v4(144.33,235.95) v4(144.33,233.41) v4(144.33,230.87) v4(144.33,228.33) v4(144.33,225.79) v4(144.33,223.25) v4(144.33,220.71) v4(144.33,218.17) v4(144.33,215.63) v4(144.33,213.09) v4(144.33,210.55) v4(144.33,208.01) v4(144.33,205.47) v4(144.33,202.93) v4(144.33,200.39) v4(179.61,352.79) v4(179.61,350.25) v4(179.61,347.71) v4(179.61,345.17) v4(179.61,342.63) v4(179.61,340.09) v4(179.61,337.55) v4(179.61,335.01) v4(179.61,332.47) v4(179.61,329.93) v4(179.61,327.39) v4(179.61,324.85) v4(179.61,322.31) v4(179.61,319.77) v4(179.61,317.23) v4(179.61,314.69) v4(179.61,312.15) v4(179.61,309.61) v4(179.61,307.07) v4(179.61,296.91) v4(179.61,294.37) v4(179.61,291.83) v4(179.61,289.29) v4(179.61,286.75) v4(179.61,284.21) v4(179.61,281.67) v4(179.61,279.13) v4(179.61,276.59) v4(179.61,274.05) v4(179.61,271.51) v4(179.61,268.97) v4(179.61,266.43) v4(179.61,263.89) v4(179.61,261.35) v4(179.61,258.81) v4(179.61,256.27) v4(179.61,253.73) v4(179.61,251.19) v4(179.61,241.03) v4(179.61,238.49) v4(179.61,235.95) v4(179.61,233.41) v4(179.61,230.87) v4(179.61,228.33) v4(179.61,225.79) v4(179.61,223.25) v4(179.61,220.71) v4(179.61,218.17) v4(179.61,215.63) v4(179.61,213.09) v4(179.61,210.55) v4(179.61,208.01) v4(179.61,205.47) v4(179.61,202.93) v4(179.61,200.39) v4(182.15,355.33) v4(182.15,352.79) v4(182.15,350.25) v4(182.15,347.71) v4(182.15,345.17) v4(182.15,342.63) v4(182.15,340.09) v4(182.15,337.55) v4(182.15,335.01) v4(182.15,332.47) v4(182.15,329.93) v4(182.15,327.39) v4(182.15,324.85) v4(182.15,322.31) v4(182.15,319.77) v4(182.15,317.23) v4(182.15,314.69) v4(182.15,312.15) v4(182.15,309.61) v4(182.15,307.07) v4(182.15,304.53) v4(182.15,301.99) v4(182.15,299.45) v4(182.15,296.91) v4(182.15,294.37) v4(182.15,291.83) v4(182.15,289.29) v4(182.15,286.75) v4(182.15,284.21) v4(182.15,281.67) v4(182.15,279.13) v4(182.15,276.59) v4(182.15,274.05) v4(182.15,271.51) v4(182.15,268.97) v4(182.15,266.43) v4(182.15,263.89) v4(182.15,261.35) v4(182.15,258.81) v4(182.15,256.27) v4(182.15,253.73) v4(182.15,251.19) v4(182.15,248.65) v4(182.15,246.11) v4(182.15,243.57) v4(182.15,241.03) v4(182.15,238.49) v4(182.15,235.95) v4(182.15,233.41) v4(182.15,230.87) v4(182.15,228.33) v4(182.15,225.79) v4(182.15,223.25) v4(182.15,220.71) v4(182.15,218.17) v4(182.15,215.63) v4(182.15,213.09) v4(182.15,210.55) v4(182.15,208.01) v4(182.15,205.47) v4(182.15,202.93) v4(182.15,200.39) v4(182.15,197.85) v4(184.69,355.33) v4(184.69,352.79) v4(184.69,350.25) v4(184.69,347.71) v4(184.69,345.17) v4(184.69,342.63) v4(184.69,340.09) v4(184.69,337.55) v4(184.69,335.01) v4(184.69,332.47) v4(184.69,329.93) v4(184.69,327.39) v4(184.69,324.85) v4(184.69,322.31) v4(184.69,319.77) v4(184.69,317.23) v4(184.69,314.69) v4(184.69,312.15) v4(184.69,309.61) v4(184.69,307.07) v4(184.69,304.53) v4(184.69,301.99) v4(184.69,299.45) v4(184.69,296.91) v4(184.69,294.37) v4(184.69,291.83) v4(184.69,289.29) v4(184.69,286.75) v4(184.69,284.21) v4(184.69,281.67) v4(184.69,279.13) v4(184.69,276.59) v4(184.69,274.05) v4(184.69,271.51) v4(184.69,268.97) v4(184.69,266.43) v4(184.69,263.89) v4(184.69,261.35) v4(184.69,258.81) v4(184.69,256.27) v4(184.69,253.73) v4(184.69,251.19) v4(184.69,248.65) v4(184.69,246.11) v4(184.69,243.57) v4(184.69,241.03) v4(184.69,238.49) v4(184.69,235.95) v4(184.69,233.41) v4(184.69,230.87) v4(184.69,228.33) v4(184.69,225.79) v4(184.69,223.25) v4(184.69,220.71) v4(184.69,218.17) v4(184.69,215.63) v4(184.69,213.09) v4(184.69,210.55) v4(184.69,208.01) v4(184.69,205.47) v4(184.69,202.93) v4(184.69,200.39) v4(184.69,197.85) v4(187.23,355.33) v4(187.23,352.79) v4(187.23,350.25) v4(187.23,347.71) v4(187.23,345.17) v4(187.23,342.63) v4(187.23,340.09) v4(187.23,337.55) v4(187.23,335.01) v4(187.23,332.47) v4(187.23,329.93) v4(187.23,327.39) v4(187.23,324.85) v4(187.23,322.31) v4(187.23,319.77) v4(187.23,317.23) v4(187.23,314.69) v4(187.23,312.15) v4(187.23,309.61) v4(187.23,307.07) v4(187.23,304.53) v4(187.23,301.99) v4(187.23,299.45) v4(187.23,296.91) v4(187.23,294.37) v4(187.23,291.83) v4(187.23,289.29) v4(187.23,286.75) v4(187.23,284.21) v4(187.23,281.67) v4(187.23,279.13) v4(187.23,276.59) v4(187.23,274.05) v4(187.23,271.51) v4(187.23,268.97) v4(187.23,266.43) v4(187.23,263.89) v4(187.23,261.35) v4(187.23,258.81) v4(187.23,256.27) v4(187.23,253.73) v4(187.23,251.19) v4(187.23,248.65) v4(187.23,246.11) v4(187.23,238.49) v4(187.23,235.95) v4(187.23,233.41) v4(187.23,230.87) v4(187.23,228.33) v4(187.23,225.79) v4(187.23,223.25) v4(187.23,220.71) v4(187.23,218.17) v4(187.23,215.63) v4(187.23,213.09) v4(187.23,210.55) v4(187.23,208.01) v4(187.23,205.47) v4(187.23,202.93) v4(187.23,200.39) v4(187.23,197.85) v4(189.77,355.33) v4(189.77,352.79) v4(189.77,350.25) v4(189.77,347.71) v4(189.77,345.17) v4(189.77,342.63) v4(189.77,340.09) v4(189.77,337.55) v4(189.77,335.01) v4(189.77,332.47) v4(189.77,329.93) v4(189.77,327.39) v4(189.77,324.85) v4(189.77,322.31) v4(189.77,319.77) v4(189.77,317.23) v4(189.77,314.69) v4(189.77,312.15) v4(189.77,309.61) v4(189.77,307.07) v4(189.77,304.53) v4(189.77,301.99) v4(189.77,299.45) v4(189.77,296.91) v4(189.77,294.37) v4(189.77,291.83) v4(189.77,289.29) v4(189.77,286.75) v4(189.77,284.21) v4(189.77,281.67) v4(189.77,279.13) v4(189.77,276.59) v4(189.77,274.05) v4(189.77,261.35) v4(189.77,258.81) v4(189.77,256.27) v4(189.77,253.73) v4(189.77,251.19) v4(189.77,248.65) v4(189.77,246.11) v4(189.77,243.57) v4(189.77,223.25) v4(189.77,200.39) v4(189.77,197.85) v4(192.31,355.33) v4(192.31,352.79) v4(192.31,350.25) v4(192.31,347.71) v4(192.31,345.17) v4(192.31,342.63) v4(192.31,340.09) v4(192.31,337.55) v4(192.31,335.01) v4(192.31,332.47) v4(192.31,329.93) v4(192.31,327.39) v4(192.31,324.85) v4(192.31,322.31) v4(192.31,319.77) v4(192.31,317.23) v4(192.31,314.69) v4(192.31,312.15) v4(192.31,309.61) v4(192.31,307.07) v4(192.31,304.53) v4(192.31,301.99) v4(192.31,299.45) v4(192.31,296.91) v4(192.31,294.37) v4(192.31,291.83) v4(192.31,289.29) v4(192.31,286.75) v4(192.31,284.21) v4(192.31,281.67) v4(192.31,279.13) v4(192.31,276.59) v4(192.31,274.05) v4(192.31,271.51) v4(192.31,268.97) v4(192.31,266.43) v4(192.31,258.81) v4(192.31,256.27) v4(192.31,253.73) v4(192.31,251.19) v4(192.31,248.65) v4(192.31,246.11) v4(192.31,235.95) v4(192.31,233.41) v4(192.31,230.87) v4(192.31,228.33) v4(192.31,225.79) v4(192.31,223.25) v4(192.31,218.17) v4(192.31,215.63) v4(192.31,213.09) v4(192.31,210.55) v4(192.31,208.01) v4(192.31,205.47) v4(192.31,200.39) v4(192.31,197.85) v4(194.85,355.33) v4(194.85,352.79) v4(194.85,350.25) v4(194.85,347.71) v4(194.85,345.17) v4(194.85,342.63) v4(194.85,340.09) v4(194.85,337.55) v4(194.85,335.01) v4(194.85,332.47) v4(194.85,329.93) v4(194.85,327.39) v4(194.85,324.85) v4(194.85,322.31) v4(194.85,319.77) v4(194.85,317.23) v4(194.85,314.69) v4(194.85,312.15) v4(194.85,309.61) v4(194.85,307.07) v4(194.85,304.53) v4(194.85,301.99) v4(194.85,299.45) v4(194.85,296.91) v4(194.85,294.37) v4(194.85,291.83) v4(194.85,289.29) v4(194.85,286.75) v4(194.85,284.21) v4(194.85,281.67) v4(194.85,279.13) v4(194.85,276.59) v4(194.85,274.05) v4(194.85,263.89) v4(194.85,256.27) v4(194.85,248.65) v4(194.85,246.11) v4(194.85,213.09) v4(197.39,355.33) v4(197.39,352.79) v4(197.39,350.25) v4(197.39,347.71) 